# Allegro board RK_NVR_DEMO1_RK3588_LP4XD200P232SD8_V21_20211228_final_lint.brd (continued)
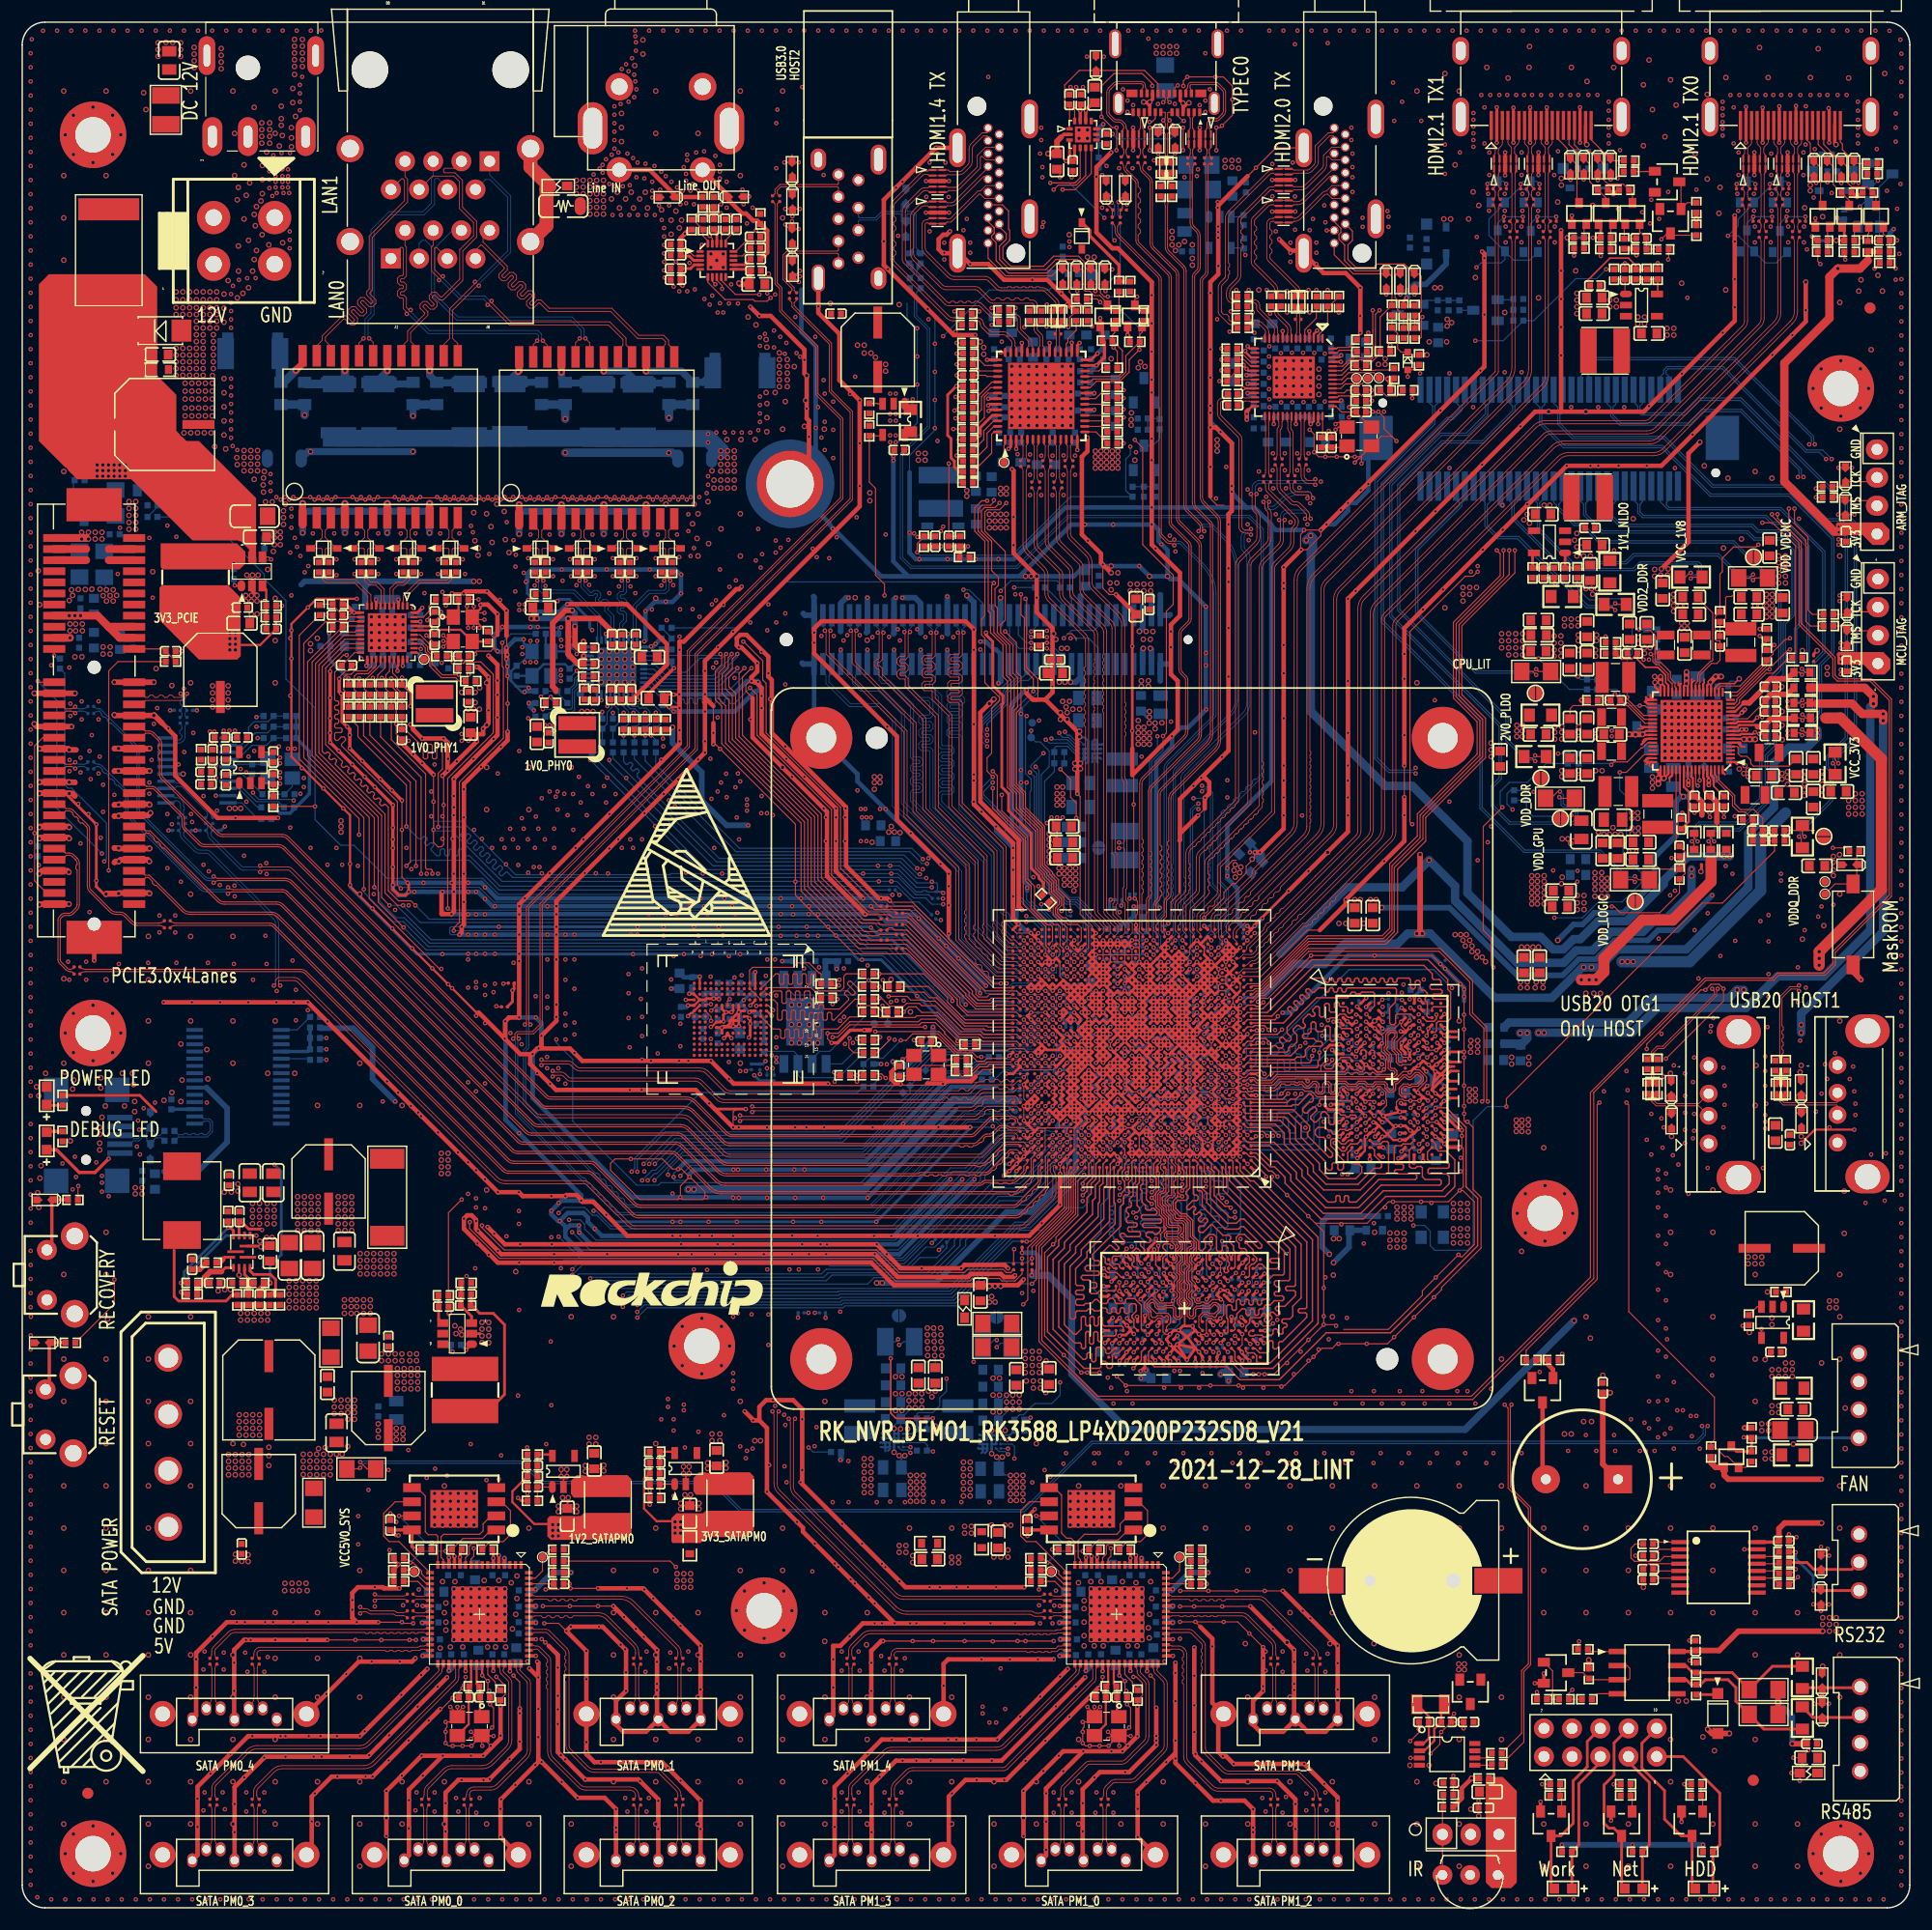
[diagram p0: board, top side]
## Routing (per net, layer and track width the routed paths; a pad name or vN(x,y) marks a point on that pad's centre or on a via; arc(x,y) is an arc through that point) (continued)
SATAPM0_TXP_4: length 4.2
  TOP w0.076: C8238.2 21.33,21.96 arc(21.22,21.79) 21.18,21.58 21.18,19.14 arc(21.3,18.52) 21.65,18 J8204.2
SATAPM0_XIN: length 7
  TOP w0.203: U8200.39 40.45,20.14 R8207.2 40.23,19.93 C8213.1 40.23,16.55 Y8200.3
SATAPM0_XOUT: length 5
  TOP w0.203: U8200.40 40.95,20.21 R8207.1 41.25,19.9 C8211.1 41.25,17.38 Y8200.1
SATAPM1_GPIO0: length 10.7
  TOP w0.102: U8301.6 90.76,36.6 89.96,35.81 89.96,33.52 90.47,33.01 91.35,33.01 U8300.17
SATAPM1_GPIO1: length 8.4
  TOP w0.102: U8301.5 92.98,37.87 93.65,37.2 93.65,33.77 94.1,33.32 94.51,33.32 94.85,32.98 U8300.16
SATAPM1_GPIO2: length 8.6
  TOP w0.102: U8301.2 99.65,35.33 98.93,34.61 98.93,33.98 98.63,33.67 95.71,33.67 95.15,33.11 95.15,31.59 95.35,31.39 U8300.15
SATAPM1_GPIO3: length 10.2
  TOP w0.102: U8300.11 97.35,31.56 97.69,31.89 97.69,32.61 97.89,32.81 98.35,32.81 R8304.2 99.57,33.01 100.76,33.01 101.39,33.65 101.39,35.81 100.6,36.6 U8301.3
SATAPM1_GPIO4: length 11.3
  TOP w0.102: R8305.2 94.28,32.85 v1(94.33,32.91) ; U8300.10 97.85,31.45 98.09,31.69 v1(98.09,32.4) ; U8301.7 v1(91.36,35.33)
  BOTTOM w0.102: v1(98.09,32.4) 97.58,32.91 v1(94.33,32.91) 93.78,32.91 v1(91.36,35.33)
SATAPM1_GPIO12: length 4
  TOP w0.102: U8300.63 103.63,29.71 104.28,30.36 TP8300.1 104.95,32.28 R8302.2
SATAPM1_GPIO13: length 2.9
  TOP w0.102: U8300.19 93.82,29.21 TP8301.1 92.59,30.44 R8309.2
SATAPM1_GPIO14: length 12.2
  TOP w0.102: U8301.1 99.65,34.06 98.75,33.16 96.98,33.16 R8303.2 95.7,32.3 v1(95.55,32.15) ; R8308.2 91.97,31.51 v1(92.38,31.11) 92.63,31.11 93.39,30.35 93.39,30.09 93.78,29.71 U8300.18
  BOTTOM w0.102: v1(92.38,31.11) 93.42,32.15 v1(95.55,32.15)
SATAPM1_REXT: length 2.9
  TOP w0.102: U8300.42 99.35,21.03 100.03,20.35 100.03,20.09 R8306.1
SATAPM1_RSTN: length 4.3
  TOP w0.102: U8300.62 105.29,29.21 C8304.1 R8300.2 R8301.2
SATAPM1_RSTN_L_GPIO4_A1: length 169.6
  TOP w0.089: v1(91.55,86.56) 91.87,86.24 U1000.AL30
  TOP w0.102: v1(106.73,31.26) R8301.1
  L4-S1 w0.102: v1(46.61,93.82) 46.3,93.51 46.3,83.76 42.44,79.9 42.44,67.91 46.91,63.44 46.91,53.99 57.38,43.53 62.66,43.53 63.57,42.61 63.57,40.58 63.88,40.28 63.88,36.11 68.04,31.95 69.57,31.95 v1(71.19,30.32)
  L6-S2 w0.089: v1(90.47,88.89) 90.07,88.89 90,88.96
  L6-S2 w0.102: v1(71.19,30.32) 93.55,30.32 94.26,31.03 106.5,31.03 v1(106.73,31.26) ; 90,88.96 83.08,95.88 77.41,95.88 76.77,96.52 70.29,96.52 67.59,93.82 v1(46.61,93.82)
  BOTTOM w0.102: v1(91.55,86.56) 91.88,86.89 91.88,88.12 91.11,88.89 v1(90.47,88.89)
SATAPM1_RXN0: length 17.6
  TOP w0.076: U8300.45 100.85,21.75 arc(100.83,21.65) 100.77,21.57 arc(100.75,21.53) 100.74,21.48 100.74,21.28 arc(100.75,21.22) 100.78,21.18 101.18,20.78 101.32,20.64 arc(101.47,20.42) 101.52,20.16 101.52,15.45 arc(101.46,15.13) 101.28,14.86 99.6,13.18 arc(99.34,13.01) 99.03,12.95 96.19,12.95 arc(96.07,12.92) 95.97,12.86 93.94,10.83 arc(93.88,10.74) 93.86,10.64 93.86,10.2 arc(93.91,9.97) C8317.1
SATAPM1_RXN1: length 12.4
  TOP w0.076: U8300.57 103.32,26.71 arc(103.41,26.69) 103.48,26.64 arc(103.53,26.61) 103.59,26.6 109.84,26.6 arc(110.19,26.53) 110.49,26.33 112.7,24.12 arc(112.89,23.84) 112.95,23.51 112.95,22.9 arc(113,22.67) C8302.1
SATAPM1_RXN2: length 21.7
  TOP w0.076: U8300.51 103.36,23.71 arc(103.41,23.7) 103.46,23.67 arc(103.53,23.62) 103.61,23.6 arc(103.62,23.6) 103.62,23.6 104.23,23.6 arc(104.45,23.56) 104.64,23.43 104.74,23.33 arc(104.88,23.13) 104.93,22.89 104.93,13.64 arc(104.98,13.37) 105.13,13.15 107.26,11.02 arc(107.52,10.85) 107.81,10.79 112.37,10.79 arc(112.78,10.62) 112.95,10.2 112.95,10.1 arc(112.98,9.97) 113.06,9.85 C8307.1
SATAPM1_RXN3: length 26.7
  TOP w0.076: U8300.34 95.35,21.8 arc(95.34,21.7) 95.29,21.6 arc(95.25,21.54) 95.24,21.47 95.24,21.38 arc(95.2,21.19) 95.1,21.04 88.6,14.54 arc(88.21,14.28) 87.76,14.19 78.33,14.19 arc(78.04,14.13) 77.79,13.97 74.85,11.02 arc(74.78,10.91) 74.75,10.79 74.75,10.28 arc(74.75,10.24) 74.75,10.21 arc(74.8,9.99) 74.92,9.81 C8322.1
SATAPM1_RXN4: length 21.2
  TOP w0.076: C8337.1 74.84,22.59 arc(74.77,22.69) 74.75,22.8 74.75,23.2 arc(74.78,23.36) 74.87,23.49 75.84,24.46 arc(76.11,24.64) 76.44,24.71 89.81,24.71 89.89,24.63 90.12,24.63 90.2,24.71 90.43,24.71 90.5,24.63 90.73,24.63 90.81,24.71 91.04,24.71 91.12,24.63 91.35,24.63 91.43,24.71 91.65,24.71 91.73,24.63 91.96,24.63 92.04,24.71 92.27,24.71 92.35,24.63 92.58,24.63 92.66,24.71 93.17,24.71 arc(93.24,24.72) 93.3,24.76 arc(93.35,24.78) 93.4,24.78 93.66,24.78 arc(93.71,24.77) 93.76,24.74 arc(93.82,24.72) 93.88,24.71 U8300.28
SATAPM1_RXN5: length 1.6
  TOP w0.076: U8300.22 93.89,27.71 arc(93.79,27.73) 93.71,27.78 arc(93.67,27.81) 93.62,27.82 93.04,27.82 arc(92.81,27.77) C8312.2
SATAPM1_RXN_0: length 4.2
  TOP w0.076: J8302.5 94.05,5.58 arc(93.91,5.79) 93.86,6.04 93.86,8.85 arc(93.91,9.08) C8317.2
SATAPM1_RXN_1: length 4.2
  TOP w0.076: J8300.5 113.28,18.14 arc(113.04,18.51) 112.95,18.94 112.95,21.55 arc(113,21.78) C8302.2
SATAPM1_RXN_2: length 4.2
  TOP w0.076: J8301.5 113.43,5.3 arc(113.08,5.82) 112.95,6.44 112.95,8.85 arc(113,9.08) C8307.2
SATAPM1_RXN_3: length 4.2
  TOP w0.076: J8303.5 75.25,5.3 arc(74.9,5.82) 74.77,6.44 74.77,8.85 arc(74.82,9.08) C8322.2
SATAPM1_RXN_4: length 4.2
  TOP w0.076: C8337.2 74.93,21.96 arc(74.81,21.79) 74.77,21.58 arc(74.77,21.57) 74.77,21.57 74.77,18.84 arc(74.84,18.5) 75.03,18.21 J8304.5
SATAPM1_RXP0: length 17.6
  TOP w0.076: U8300.44 100.35,21.69 arc(100.36,21.65) 100.38,21.61 arc(100.44,21.52) 100.46,21.42 100.46,21.28 arc(100.49,21.12) 100.58,20.98 100.98,20.58 101.13,20.44 arc(101.21,20.31) 101.24,20.16 101.24,15.45 arc(101.2,15.24) 101.08,15.06 99.4,13.38 arc(99.23,13.26) 99.03,13.23 96.19,13.23 arc(95.96,13.18) 95.77,13.05 93.74,11.02 arc(93.62,10.85) 93.58,10.64 93.58,10.2 arc(93.54,9.97) 93.41,9.78 C8319.1
SATAPM1_RXP1: length 12.4
  TOP w0.076: C8303.1 112.5,22.48 arc(112.63,22.67) 112.67,22.9 112.67,23.51 arc(112.63,23.73) 112.5,23.92 112.42,24 110.29,26.13 arc(110.09,26.27) 109.84,26.32 107.69,26.32 107.62,26.24 107.39,26.24 107.31,26.32 107.09,26.32 107.01,26.24 106.78,26.24 106.7,26.32 106.48,26.32 106.4,26.24 106.17,26.24 106.09,26.32 105.87,26.32 105.79,26.24 105.56,26.24 105.48,26.32 105.26,26.32 105.18,26.24 104.95,26.24 104.88,26.32 104.65,26.32 104.57,26.24 104.34,26.24 104.27,26.32 103.59,26.32 arc(103.53,26.31) 103.48,26.28 arc(103.41,26.23) 103.32,26.21 U8300.56
SATAPM1_RXP2: length 21.6
  TOP w0.076: U8300.50 103.33,23.21 arc(103.41,23.23) 103.48,23.27 arc(103.53,23.31) 103.59,23.32 104.23,23.32 arc(104.35,23.3) 104.44,23.23 104.54,23.13 arc(104.62,23.02) 104.65,22.89 104.65,22.66 104.53,22.54 104.53,22.32 104.65,22.2 104.65,21.97 104.53,21.86 104.53,21.63 104.65,21.52 104.65,21.29 104.53,21.17 104.53,20.94 104.65,20.83 104.65,20.6 104.53,20.49 104.53,20.26 104.65,20.14 104.65,13.64 arc(104.72,13.27) 104.93,12.95 107.06,10.82 arc(107.41,10.59) 107.81,10.51 112.37,10.51 arc(112.58,10.42) 112.67,10.2 112.67,10.1 arc(112.65,9.97) 112.57,9.85 C8309.1
SATAPM1_RXP3: length 26.7
  TOP w0.076: U8300.33 94.85,21.8 arc(94.86,21.7) 94.9,21.6 arc(94.95,21.54) 94.96,21.47 94.96,21.38 arc(94.95,21.3) 94.9,21.24 88.4,14.74 arc(88.11,14.54) 87.76,14.47 78.33,14.47 arc(77.93,14.39) 77.59,14.17 74.65,11.22 arc(74.52,11.02) 74.47,10.79 74.47,10.15 arc(74.43,9.95) C8323.1
SATAPM1_RXP4: length 21.3
  TOP w0.076: C8338.1 74.35,22.52 arc(74.44,22.65) 74.47,22.8 74.47,23.2 arc(74.52,23.47) 74.67,23.69 75.64,24.66 arc(76.01,24.9) 76.44,24.99 93.06,24.99 arc(93.1,25) 93.13,25.02 arc(93.18,25.05) 93.24,25.06 93.55,25.06 arc(93.63,25.08) 93.7,25.13 93.73,25.16 arc(93.79,25.2) 93.86,25.21 U8300.27
SATAPM1_RXP5: length 1.6
  TOP w0.076: U8300.21 93.83,28.21 arc(93.79,28.2) 93.76,28.18 arc(93.67,28.12) 93.56,28.1 93.04,28.1 arc(92.81,28.14) C8310.2
SATAPM1_RXP_0: length 4.2
  TOP w0.076: J8302.6 93.39,5.58 arc(93.53,5.79) 93.58,6.04 93.58,8.85 arc(93.54,9.08) C8319.2
SATAPM1_RXP_1: length 4.2
  TOP w0.076: J8300.6 112.34,18.14 arc(112.59,18.51) 112.67,18.94 112.67,21.55 arc(112.63,21.78) C8303.2
SATAPM1_RXP_2: length 4.2
  TOP w0.076: J8301.6 112.2,5.3 arc(112.55,5.82) 112.67,6.44 112.67,8.85 arc(112.63,9.08) C8309.2
SATAPM1_RXP_3: length 4.2
  TOP w0.076: J8303.6 74.02,5.3 arc(74.37,5.82) 74.49,6.44 74.49,8.85 arc(74.45,9.08) C8323.2
SATAPM1_RXP_4: length 4.2
  TOP w0.076: J8304.6 74.23,18.21 arc(74.42,18.5) 74.49,18.84 74.49,21.57 arc(74.49,21.57) 74.49,21.58 arc(74.45,21.79) 74.33,21.96 C8338.2
SATAPM1_TESTN: length 2.7
  TOP w0.102: U8300.20 93.76,28.71 93.05,29.42 R8310.2
SATAPM1_TXN0: length 15.9
  TOP w0.076: U8300.47 101.85,21.7 arc(101.86,21.65) 101.89,21.6 arc(101.94,21.53) 101.96,21.46 101.96,21.4 arc(101.99,21.27) 102.06,21.16 102.77,20.44 arc(102.86,20.31) 102.89,20.15 102.89,14.66 arc(102.84,14.39) 102.69,14.17 100.25,11.73 arc(100.08,11.61) 99.88,11.57 98.49,11.57 arc(98.25,11.53) 98.05,11.39 97.64,10.98 arc(97.49,10.75) 97.43,10.48 97.43,10.2 arc(97.39,10.01) 97.29,9.85 C8315.1
SATAPM1_TXN1: length 16.5
  TOP w0.076: C8301.1 116.36,22.53 arc(116.44,22.66) 116.47,22.81 116.47,22.88 arc(116.45,22.99) 116.39,23.09 111.87,27.61 arc(111.65,27.75) 111.39,27.81 108.46,27.81 108.34,27.68 108.11,27.68 107.98,27.81 107.75,27.81 107.63,27.68 107.4,27.68 107.27,27.81 107.04,27.81 106.92,27.68 106.69,27.68 106.56,27.81 106.33,27.81 106.2,27.68 105.98,27.68 105.85,27.81 105.62,27.81 105.49,27.68 105.26,27.68 105.14,27.81 103.56,27.81 arc(103.53,27.8) 103.5,27.78 arc(103.42,27.73) 103.33,27.71 U8300.59
SATAPM1_TXN2: length 26
  TOP w0.076: U8300.53 103.34,24.71 arc(103.41,24.72) 103.47,24.76 arc(103.53,24.8) 103.6,24.82 105.14,24.82 arc(105.25,24.8) 105.34,24.74 106.25,23.82 arc(106.3,23.74) 106.32,23.65 106.32,23.38 106.23,23.29 106.23,23.06 106.32,22.97 106.32,22.75 106.23,22.66 106.23,22.43 106.32,22.34 106.32,22.11 106.23,22.02 106.23,21.79 106.32,21.7 106.32,21.48 106.23,21.39 106.23,21.16 106.32,21.07 106.32,20.84 106.23,20.75 106.23,20.52 106.32,20.43 106.32,14.43 arc(106.38,14.13) 106.56,13.87 108.09,12.34 arc(108.4,12.13) 108.76,12.06 114.65,12.06 arc(114.83,12.02) 114.98,11.92 116.3,10.6 arc(116.42,10.43) 116.46,10.22 116.46,10.1 arc(116.43,9.94) 116.34,9.81 C8306.1
SATAPM1_TXN3: length 24.8
  TOP w0.076: U8300.36 96.35,21.71 arc(96.36,21.65) 96.4,21.59 arc(96.45,21.53) 96.46,21.45 96.46,20.67 arc(96.45,20.6) 96.41,20.55 88.59,12.72 arc(88.49,12.66) 88.38,12.64 80.25,12.64 arc(79.9,12.57) 79.59,12.37 78.58,11.35 arc(78.38,11.05) 78.31,10.7 78.31,10.21 arc(78.26,9.98) C8321.1
SATAPM1_TXN4: length 16.7
  TOP w0.076: U8300.30 93.78,23.71 93.67,23.6 93.34,23.6 93.13,23.39 78.86,23.39 arc(78.45,23.21) 78.28,22.8 arc(78.25,22.65) 78.16,22.52 C8336.1
SATAPM1_TXN5: length 1.6
  TOP w0.076: U8300.24 93.84,26.71 arc(93.79,26.7) 93.74,26.67 arc(93.67,26.62) 93.58,26.6 93.04,26.6 arc(92.81,26.64) C8316.2
SATAPM1_TXN_0: length 4.2
  TOP w0.076: J8302.3 96.99,5.37 arc(97.29,5.81) 97.39,6.34 97.39,8.85 arc(97.35,9.08) C8315.2
SATAPM1_TXN_1: length 4.2
  TOP w0.076: J8300.3 116.22,18.21 arc(116.41,18.5) 116.48,18.84 116.48,21.55 arc(116.44,21.78) C8301.2
SATAPM1_TXN_2: length 4.2
  TOP w0.076: J8301.3 116.01,5.3 arc(116.36,5.82) 116.48,6.44 116.48,8.85 arc(116.44,9.08) C8306.2
SATAPM1_TXN_3: length 4.2
  TOP w0.076: J8303.3 77.94,5.41 arc(78.21,5.81) 78.3,6.28 78.3,8.88 arc(78.26,9.09) 78.15,9.26 C8321.2
SATAPM1_TXN_4: length 4.2
  TOP w0.076: C8336.2 78.15,21.96 arc(78.26,21.79) 78.3,21.58 78.3,19.06 arc(78.19,18.52) 77.89,18.06 J8304.3
SATAPM1_TXP0: length 15.9
  TOP w0.076: U8300.48 102.35,21.75 arc(102.33,21.65) 102.28,21.57 arc(102.25,21.53) 102.24,21.48 102.24,21.47 arc(102.26,21.38) 102.31,21.3 102.97,20.64 arc(103.12,20.42) 103.17,20.15 103.17,14.66 arc(103.1,14.28) 102.89,13.97 100.45,11.53 arc(100.19,11.36) 99.88,11.3 98.49,11.3 arc(98.36,11.27) 98.25,11.19 97.84,10.79 arc(97.74,10.65) 97.71,10.48 97.71,10.11 arc(97.75,9.93) C8314.1
SATAPM1_TXP1: length 16.4
  TOP w0.076: C8300.1 116.85,22.56 arc(116.78,22.67) 116.75,22.81 116.75,22.88 arc(116.71,23.1) 116.58,23.28 112.06,27.81 arc(111.75,28.01) 111.39,28.08 103.64,28.08 arc(103.63,28.08) 103.62,28.09 arc(103.54,28.11) 103.47,28.15 arc(103.41,28.19) 103.34,28.21 U8300.60
SATAPM1_TXP2: length 26.1
  TOP w0.076: U8300.54 103.31,25.21 arc(103.41,25.19) 103.5,25.13 arc(103.53,25.11) 103.57,25.1 105.14,25.1 arc(105.35,25.06) 105.53,24.93 106.45,24.02 arc(106.56,23.85) 106.6,23.65 106.6,14.43 arc(106.64,14.23) 106.75,14.06 108.28,12.53 arc(108.5,12.39) 108.76,12.34 114.65,12.34 arc(114.94,12.28) 115.17,12.12 116.5,10.8 arc(116.67,10.53) 116.74,10.22 116.74,10.1 arc(116.76,9.99) 116.82,9.9 C8305.1
SATAPM1_TXP3: length 24.8
  TOP w0.076: U8300.37 96.85,21.8 arc(96.83,21.69) 96.79,21.59 arc(96.75,21.54) 96.74,21.48 96.74,20.67 arc(96.71,20.5) 96.61,20.35 88.78,12.53 arc(88.6,12.4) 88.38,12.36 80.25,12.36 arc(80,12.31) 79.79,12.17 78.78,11.16 arc(78.64,10.94) 78.59,10.7 78.59,10.19 arc(78.63,9.97) C8320.1
SATAPM1_TXP4: length 16.6
  TOP w0.076: C8335.1 78.65,22.59 arc(78.58,22.69) 78.56,22.8 arc(78.65,23.02) 78.86,23.11 90.47,23.11 90.56,23.02 90.79,23.02 90.87,23.11 91.1,23.11 91.19,23.02 91.42,23.02 91.51,23.11 91.74,23.11 91.83,23.02 92.06,23.02 92.14,23.11 92.37,23.11 92.46,23.02 92.69,23.02 92.78,23.11 93.24,23.11 93.45,23.32 93.67,23.32 93.78,23.21 U8300.31
SATAPM1_TXP5: length 1.6
  TOP w0.076: U8300.25 93.84,26.21 arc(93.79,26.22) 93.74,26.25 arc(93.67,26.3) 93.58,26.32 93.04,26.32 arc(92.81,26.27) C8318.2
SATAPM1_TXP_0: length 4.2
  TOP w0.076: J8302.2 98.08,5.37 arc(97.78,5.81) 97.67,6.34 97.67,8.85 arc(97.72,9.08) C8314.2
SATAPM1_TXP_1: length 4.2
  TOP w0.076: J8300.2 117.02,18.21 arc(116.83,18.5) 116.76,18.84 116.76,21.55 arc(116.81,21.78) C8300.2
SATAPM1_TXP_2: length 4.2
  TOP w0.076: J8301.2 117.24,5.3 arc(116.89,5.82) 116.76,6.44 116.76,8.85 arc(116.81,9.08) C8305.2
SATAPM1_TXP_3: length 4.2
  TOP w0.076: C8320.2 78.74,9.26 arc(78.62,9.09) 78.58,8.88 78.58,6.28 arc(78.67,5.81) 78.94,5.41 J8303.2
SATAPM1_TXP_4: length 4.2
  TOP w0.076: C8335.2 78.74,21.96 arc(78.62,21.79) 78.58,21.58 78.58,19.06 arc(78.69,18.52) 79,18.06 J8304.2
SATAPM1_XIN: length 7
  TOP w0.203: Y8300.3 97.63,16.55 C8313.1 97.63,19.93 R8307.2 97.85,20.14 U8300.39
SATAPM1_XOUT: length 5
  TOP w0.203: Y8300.1 98.65,17.38 C8311.1 98.65,19.9 R8307.1 98.35,20.21 U8300.40
SLEEP1_RESET1_DEVOFF1_VSEL1: length 6.1
  TOP w0.102: v1(90.25,76.16) 90.57,75.84 U1000.R32
  BOTTOM w0.089: v1(90.25,76.16) 90.19,76.16 89.84,75.81 89.48,75.81 89.05,76.24 88.47,76.24
  BOTTOM w0.102: R1103.1 85.52,75.94 85.82,76.24 88.47,76.24
SPDIF0_TX_M1: length 48.1
  TOP w0.254: R5506.1 85.84,132.34 v1(86.23,132.73) 86.33,132.83 86.33,133.44 87.43,134.54 U5500.53 ; v1(86.84,114.95) 86.84,114.75 87.45,114.14 87.45,110.18 88.36,109.26 88.36,108.55 88.26,108.45 88.26,101.03 88.87,100.42 88.87,98.9 90.9,96.87 90.9,93.72 91.62,93 91.62,92.8 92.02,92.4 92.02,91.41 R1922.2
  L4-S1 w0.254: v1(86.23,132.73) 86.23,126.64 85.82,126.23 85.82,122.37 85.42,121.96 85.42,119.83 85.93,119.32 85.93,115.87 v1(86.84,114.95)
SPI2_CLK_M2: length 5.2
  TOP w0.089: U1000.N31 91.22,74.54
  TOP w0.102: 91.22,74.54 v1(90.9,74.21)
  BOTTOM w0.089: 88.47,75.53 88.92,75.53 89.27,75.19 90.38,75.19 90.57,75 90.57,74.54 v1(90.9,74.21)
  BOTTOM w0.102: R1104.1 87.61,74.67 88.47,75.53
SPI2_CS0_M2: length 17
  TOP w0.102: U1000.K30 v1(91.55,72.26)
  L6-S2 w0.089: v1(91.55,72.26) 91.16,72.65 89.89,72.65 89.62,72.38 88.47,72.38
  L6-S2 w0.102: 88.47,72.38 79.7,72.38 v1(77.29,74.8)
  BOTTOM w0.102: R1106.1 76.7,74.23 77.26,74.8 v1(77.29,74.8)
SPI2_MISO_M2: length 18.7
  TOP w0.089: U1000.L29 v1(92.2,73.56)
  TOP w0.102: v1(77.8,74.8) 77.42,75.18 76.83,75.18 R1107.1
  L6-S2 w0.089: 88.47,72.69 89.62,72.69 89.79,72.86 91.49,72.86 v1(92.2,73.56)
  L6-S2 w0.102: 88.47,72.69 79.91,72.69 v1(77.8,74.8)
  BOTTOM w0.102: v1(77.8,74.8) 77.42,75.18 76.83,75.18 R1107.1
SPI2_MOSI_M2: length 21.1
  TOP w0.089: U1000.N30 91.87,74.54
  TOP w0.102: R1105.1 73.43,75.05 v1(73.15,75.33) ; 91.87,74.54 v1(91.55,74.21)
  L6-S2 w0.089: v1(91.55,74.21) 91.55,74.04 91.22,73.72 91.22,73.43 91.03,73.24 89.85,73.24 89.79,73.3 88.47,73.3
  L6-S2 w0.102: 88.47,73.3 81.86,73.3 80.24,74.92 78.51,74.92 78.03,75.4 73.23,75.4 v1(73.15,75.33)
TSADC_SHUT_H: length 2
  TOP w0.089: U1000.P32 90.57,75.19
  TOP w0.102: 90.57,75.19 v1(90.25,74.86)
  BOTTOM w0.089: v1(90.25,74.86) 89.58,74.86 89.18,74.46 R1102.2
TYPEC0_CC1: length 11.4
  TOP w0.102: J2500.A5 104.1,161.55 104.57,161.08 v1(104.67,161.08) ; v1(98.25,159.9) C2521.1 97.26,160.36 U2503.10 96.79,160.88 96.6,161.07 U2503.11
  BOTTOM w0.102: v1(104.67,161.08) 104.52,161.08 103.73,160.29 D2518.1 103.73,159.73 103.45,159.45 98.7,159.45 v1(98.25,159.9)
TYPEC0_CC2: length 16.2
  TOP w0.102: 94.37,162.55 C2520.1 94.2,162.56 93.93,162.83 93.93,164.31 95.25,165.63 D2519.1 101.13,165.63 102.35,164.41 J2500.B5 ; 94.37,162.55 U2503.1 ; 94.37,162.55 94.83,162.09 U2503.14
TYPEC0_DM: length 11.8
  TOP w0.084: J2500.A7 102.91,161.86 arc(102.96,161.84) 102.99,161.79 arc(102.99,161.78) 102.99,161.77 102.99,161.38 arc(102.98,161.32) 102.94,161.26 v1(102.82,161.13) 102.87,161.08 arc(102.96,160.94) 102.99,160.77 102.99,160.47 arc(102.94,160.33) 102.79,160.27 102.69,160.27 arc(102.62,160.25) 102.56,160.21 D2505.1 102.91,159.99 arc(102.96,159.97) 102.99,159.92 arc(102.99,159.91) 102.99,159.9 102.99,157.91 arc(102.95,157.68) L2500.1 ; J2500.B7 103.35,163.31 103.27,163.24 103.23,163.2 arc(103.21,163.16) 103.2,163.11 103.2,163.01 arc(103.21,162.95) 103.25,162.9 v1(103.38,162.76)
  L6-S2 w0.076: v1(102.82,161.13) 103,160.95 103,160.52 103.35,160.16 103.89,160.16 104.16,160.44 104.16,161.41 103.2,162.37 103.2,162.58 v1(103.38,162.76)
TYPEC0_DP: length 11.1
  TOP w0.084: v1(102.81,162.76) 102.95,162.9 arc(102.98,162.95) 102.99,163.01 102.99,163.11 arc(102.99,163.16) 102.96,163.2 102.92,163.24 102.85,163.31 J2500.B6 ; J2500.A6 103.28,161.86 arc(103.22,161.83) 103.2,161.77 103.2,161.38 arc(103.21,161.32) 103.25,161.27 v1(103.38,161.13) 103.32,161.07 arc(103.23,160.94) 103.2,160.77 103.2,160.47 arc(103.2,160.44) 103.21,160.41 arc(103.28,160.3) 103.4,160.27 103.5,160.27 arc(103.57,160.25) 103.63,160.21 D2504.1 103.28,159.99 arc(103.22,159.96) 103.2,159.9 103.2,157.91 arc(103.24,157.68) L2500.3
  L6-S2 w0.076: v1(102.81,162.76) 102.99,162.58 102.99,162.29 103.96,161.32 103.96,160.52 103.81,160.37 103.43,160.37 103.2,160.6 103.2,160.95 v1(103.38,161.13)
TYPEC0_REXT: length 1
  TOP w0.102: U1000.AH16 v1(100.65,84.61)
  BOTTOM w0.089: R1401.1 100.33,84.29 v1(100.65,84.61)
TYPEC0_RX1N: length 11.7
  TOP w0.084: J2500.B10 104.85,163.82 arc(104.86,163.89) 104.9,163.95 104.95,164 arc(105,164.07) 105.02,164.15 arc(105.03,164.17) 105.03,164.19 105.03,164.25 arc(105.12,164.46) 105.33,164.55 107.5,164.55 arc(107.69,164.51) 107.85,164.41 108.29,163.97 arc(108.39,163.81) 108.43,163.62 108.43,161.99 108.43,161.99 arc(108.38,161.76) 108.25,161.56 108.23,161.54 107.87,161.18 arc(107.76,161.11) 107.63,161.08 107.26,161.08 arc(107.17,161.06) 107.09,161.01 107.03,160.95 arc(106.98,160.87) 106.96,160.77 106.96,160.47 arc(106.97,160.4) 107.01,160.35 arc(107.08,160.24) 107.11,160.11 ED2500.1 ED2500.10 107.11,158.66 106.96,158.51 106.96,158.21 arc(107.01,157.95) R2502.2
TYPEC0_RX1P: length 11.1
  TOP w0.084: R2503.2 106.55,157.75 arc(106.7,157.97) 106.75,158.23 106.75,158.51 106.61,158.66 ED2500.9 ED2500.2 106.61,160.1 arc(106.63,160.24) 106.71,160.35 arc(106.74,160.4) 106.75,160.46 106.75,160.77 arc(106.79,160.95) 106.89,161.09 106.94,161.15 arc(107.09,161.25) 107.26,161.28 107.63,161.28 arc(107.68,161.29) 107.73,161.32 108.08,161.68 108.11,161.7 arc(108.2,161.84) 108.23,161.99 108.23,163.62 arc(108.21,163.73) 108.14,163.82 107.7,164.26 arc(107.61,164.33) 107.5,164.35 105.33,164.35 arc(105.26,164.32) 105.23,164.25 105.23,164.07 arc(105.24,164.02) 105.27,163.98 arc(105.33,163.87) 105.35,163.74 J2500.B11
TYPEC0_RX2N: length 4.2
  TOP w0.084: R2537.2 101.11,157.88 arc(101,158.04) 100.96,158.23 100.96,158.44 arc(100.98,158.5) 101.01,158.56 101.08,158.63 arc(101.1,158.66) 101.11,158.7 ED2501.10 ED2501.1 101.11,160.13 arc(101.09,160.24) 101.03,160.33 arc(100.98,160.4) 100.96,160.49 100.96,161.18 arc(100.98,161.27) 101.03,161.35 101.06,161.38 arc(101.09,161.42) 101.1,161.46 J2500.A10
TYPEC0_RX2P: length 4.2
  TOP w0.084: R2538.2 100.63,157.92 arc(100.73,158.07) 100.76,158.23 100.76,158.44 arc(100.75,158.5) 100.71,158.56 100.64,158.63 arc(100.62,158.66) 100.61,158.7 ED2501.9 ED2501.2 100.61,160.13 arc(100.63,160.24) 100.69,160.33 arc(100.74,160.4) 100.76,160.49 100.76,161.18 arc(100.74,161.27) 100.69,161.35 100.66,161.38 arc(100.61,161.45) 100.6,161.53 J2500.A11
TYPEC0_SBU1: length 14.7
  TOP w0.102: J2500.A8 102.1,161.3 101.78,160.98 v1(101.57,160.98) ; C2522.2 98.93,153 R2536.1 99.13,153.2 99.13,153.76 99.41,154.04 D2517.1 99.26,154.35 98.78,153.87 v1(98.78,153.76)
  L6-S2 w0.102: v1(98.78,153.76) 98.78,153.87 98.47,154.17 98.47,157.46 101.12,160.1 101.12,160.88 101.32,161.08 101.47,161.08 v1(101.57,160.98)
  BOTTOM w0.102: v1(98.78,153.76) 98.73,153.71 98.73,152.59 C2522.2
TYPEC0_SBU1/DP0_AUXP: length 73.2
  TOP w0.084: C2522.1 98.82,151.78 arc(98.71,151.62) 98.68,151.43 98.68,151.19 arc(98.72,150.99) 98.83,150.82 102.44,147.21 arc(102.59,146.99) 102.64,146.72 102.64,123.99 arc(102.67,123.85) 102.74,123.74 103.23,123.25 arc(103.31,123.2) 103.4,123.18 103.5,123.18 arc(103.65,123.21) 103.77,123.29 v1(103.81,123.33)
  TOP w0.102: U1000.AL15 v1(101.95,85.91)
  BOTTOM w0.084: v1(103.81,123.33) 103.85,123.29 arc(103.97,123.21) 104.11,123.18 104.25,123.18 arc(104.38,123.16) 104.49,123.08 106.44,121.13 arc(107.27,119.89) 107.57,118.41 107.57,107.55 arc(107.55,107.44) 107.48,107.35 103.28,103.15 arc(103.15,102.94) 103.1,102.7 103.1,90.06 arc(103.06,89.87) 102.95,89.71 102.49,89.25 arc(102.41,89.14) 102.39,89 102.39,87.81 102.59,87.6 102.59,86.49 102.23,86.14 102.03,86.14 101.95,86.05 v1(101.95,85.91)
TYPEC0_SBU1_DC: length 149.7
  TOP w0.102: v1(92.85,76.81) 92.52,76.49 U1000.T29
  L4-S1 w0.102: v1(58.19,66.08) 58.19,77.56 57.48,78.27 57.48,86.1 59.71,88.33 59.71,90.67 65.91,96.87 65.91,104.79 68.04,106.93 68.04,112.21 69.77,113.94 69.77,117.9 72.51,120.64 72.92,120.64 82.17,129.89 82.17,131.31 82.98,132.12 v1(82.98,141.67)
  BOTTOM w0.089: v1(92.85,76.81) U1000.T29 91.41,76.49 91.22,76.3 91.22,76.03 90.62,75.43 89.3,75.43 89,75.73 88.47,75.73
  BOTTOM w0.102: v1(82.98,141.67) 87.15,145.84 92.53,145.84 92.73,146.04 94.66,146.04 94.97,146.35 97.71,146.35 98.93,147.57 R2533.1 ; v1(58.19,66.08) 58.19,66.49 59.51,67.81 75.87,67.81 83.28,75.23 85.43,75.23 86.04,75.84 88.37,75.84 88.47,75.73
TYPEC0_SBU2: length 20.3
  TOP w0.102: v1(104.11,164.28) 104.06,164.23 104.01,164.23 103.85,164.06 J2500.B8 ; v1(98.17,153.71) 98.17,154.22 98.04,154.35 D2516.1 97.68,153.64 R2535.1 98.22,153.01 C2523.2
  L6-S2 w0.102: v1(98.17,153.71) 98.17,153.74 98.27,153.84 98.27,157.54 100.91,160.19 100.91,161.84 100.58,162.18 100.58,163.03 101.17,163.62 103.4,163.62 104.01,164.23 104.06,164.23 v1(104.11,164.28)
  BOTTOM w0.102: C2523.2 98.42,152.59 98.42,153.51 98.22,153.71 v1(98.17,153.71)
TYPEC0_SBU2/DP0_AUXN: length 73.3
  TOP w0.084: C2523.1 98.33,151.78 arc(98.44,151.62) 98.47,151.43 98.47,151.19 arc(98.53,150.91) 98.69,150.67 102.29,147.07 arc(102.4,146.91) 102.44,146.72 102.44,123.99 arc(102.48,123.78) 102.6,123.6 103.08,123.11 arc(103.23,123.01) 103.4,122.98 103.5,122.98 arc(103.65,122.95) 103.77,122.87 v1(103.81,122.83)
  TOP w0.102: U1000.AM15 v1(101.95,86.56)
  BOTTOM w0.084: v1(101.95,86.56) 101.95,86.42 102.03,86.34 102.15,86.34 102.39,86.57 102.39,87.52 102.18,87.72 102.18,89 arc(102.22,89.21) 102.34,89.39 102.81,89.86 arc(102.87,89.95) 102.89,90.06 102.89,91.08 102.85,91.12 102.85,91.12 102.81,91.17 102.81,91.42 102.85,91.46 102.85,91.46 102.89,91.5 102.89,91.75 102.85,91.8 102.85,91.8 102.81,91.84 102.81,92.09 102.85,92.13 102.85,92.13 102.89,92.18 102.89,92.43 102.85,92.47 102.85,92.47 102.81,92.51 102.81,92.76 102.85,92.81 102.85,92.81 102.89,92.85 102.89,93.1 102.85,93.14 102.85,93.14 102.81,93.18 102.81,93.44 102.85,93.48 102.85,93.48 102.89,93.52 102.89,93.77 102.85,93.82 102.85,93.82 102.81,93.86 102.81,94.11 102.85,94.15 102.85,94.15 102.89,94.19 102.89,94.45 102.85,94.49 102.85,94.49 102.81,94.53 102.81,94.78 102.85,94.82 102.85,94.82 102.89,94.87 102.89,102.7 arc(102.96,103.02) 103.14,103.3 107.34,107.49 arc(107.36,107.52) 107.36,107.55 107.36,118.41 arc(107.09,119.81) 106.3,120.99 104.35,122.94 arc(104.29,122.97) 104.23,122.98 104.11,122.98 arc(103.97,122.95) 103.85,122.87 v1(103.81,122.83)
TYPEC0_SBU2_DC: length 304.7
  TOP w0.089: U1000.U33 v1(89.6,76.81)
  L4-S1 w0.102: v1(55.85,65.57) 56.56,64.86 56.56,56.02 56.77,55.82 56.77,47.54 58.19,46.12 v1(58.19,45.86) ; v1(103.5,106.93) 104.01,107.43 104.01,121.76 104.42,122.17 104.42,123.49 103.81,124.1 103.81,130.09 102.18,131.72 102.18,146.55 v1(98.42,150.31) ; v1(144.96,44.04) 145.26,44.34 145.26,71.67 145.87,72.28 145.87,78.17 149.53,81.83 149.53,93.72 v1(148.61,94.63)
  L6-S2 w0.102: v1(148.61,94.63) 148.61,95.14 145.97,97.78 144.65,97.78 143.43,99 139.47,99 139.27,98.8 137.74,98.8 136.78,99.76 136.78,100.78 136.52,101.03 135.81,101.03 134.9,101.95 133.47,101.95 131.44,103.98 131.44,106.93 129.92,108.45 107.97,108.45 106.86,107.33 103.91,107.33 v1(103.5,106.93) ; v1(58.19,45.86) 63.27,45.86 65.96,43.17 70.13,43.17 71.3,44.34 81.35,44.34 81.86,44.85 83.49,44.85 84.04,44.3 90.25,44.3 90.5,44.54 91.29,44.54 92.3,43.53 134.29,43.53 135.2,44.44 144.55,44.44 v1(144.96,44.04)
  BOTTOM w0.089: 88.47,77.18 89.23,77.18 v1(89.6,76.81)
  BOTTOM w0.102: R2534.1 98.22,150.51 v1(98.42,150.31) ; 88.47,77.18 85.37,77.18 84.76,76.57 83.61,76.57 75.77,68.72 59.31,68.72 57.07,66.49 56.77,66.49 v1(55.85,65.57)
